# Altium PCB FPGA_Board.PcbDoc (part 2 of 3)
Units mil, origin at the board's own origin, x right, y up, seen from the top; angles counter-clockwise.
Board outline 13780 x 3880 mil, 8 copper layers (L0, L1, L2, 3,3V, GND, L3, L4, L5), stack 40.468 mil thick; 246 components, 198 nets, 1060 pads, 536 vias.
Unrouted connection lines stored in the file: 133.
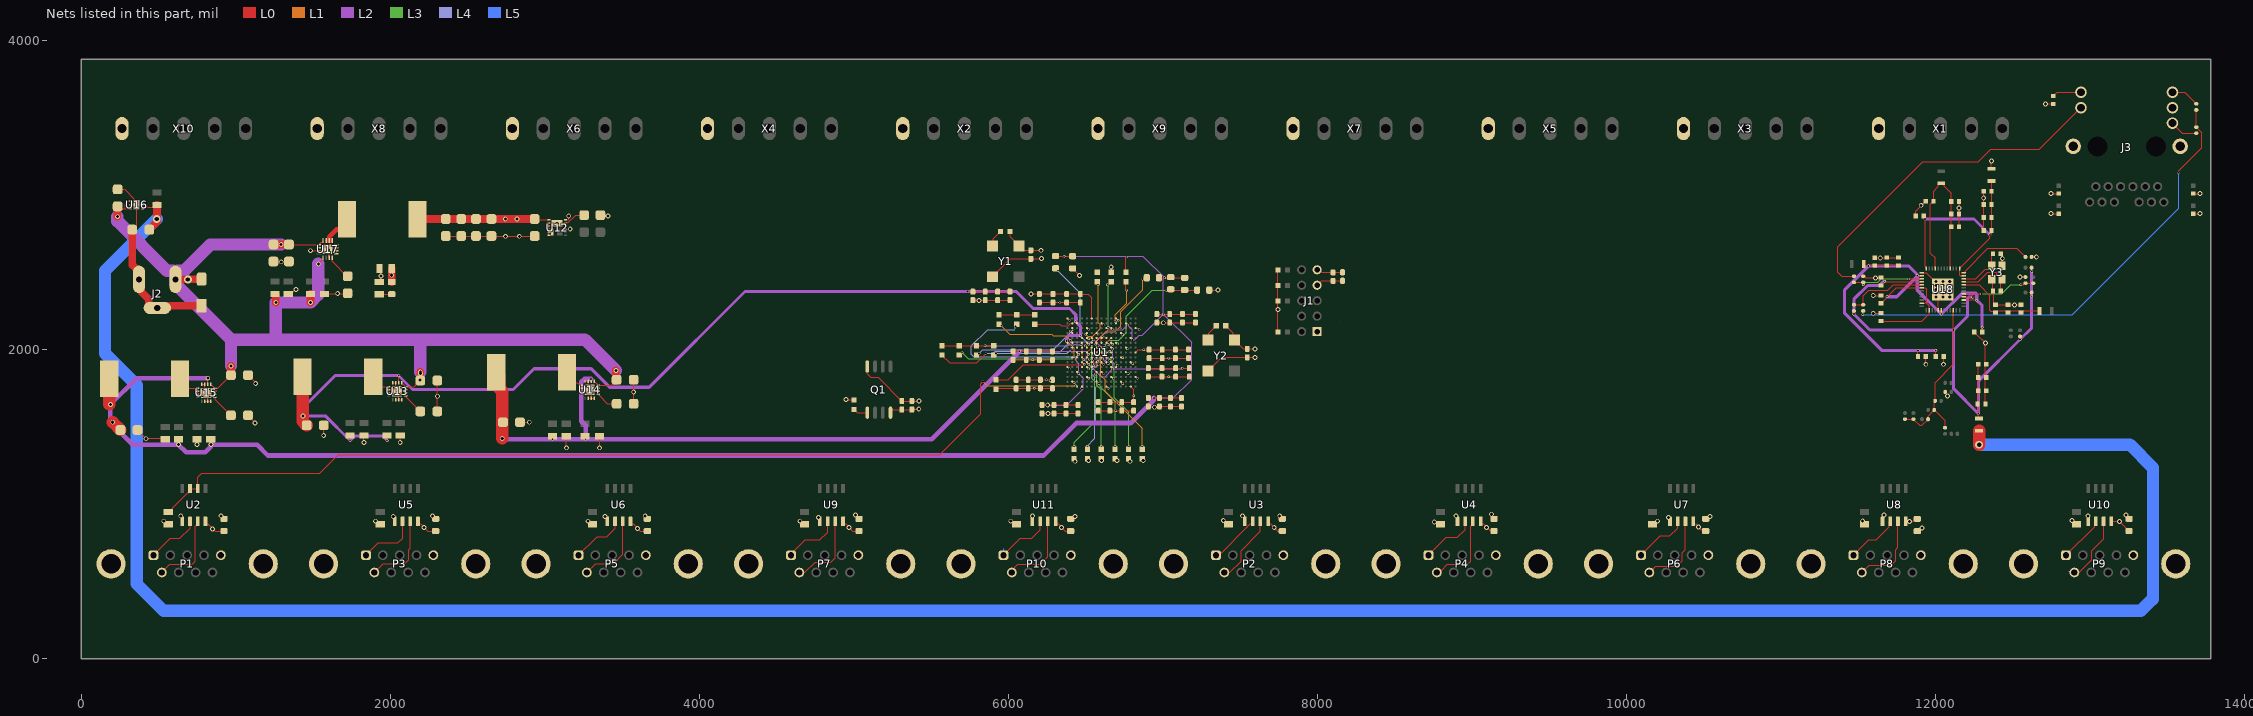
[diagram p8: the nets of this part, all layers, seen from the top]

## Via types
v1: diameter 15.75, hole 11.81, L0 to L5, 116 vias
v2: diameter 31.5, hole 19.68, L0 to GND, 96 vias
v3: diameter 15.75, hole 11.81, L0 to L3, 79 vias
v4: diameter 15.75, hole 11.81, L0 to L2, 64 vias
v5: diameter 15.75, hole 11.81, L0 to L1, 40 vias
v6: diameter 15.75, hole 11.81, L0 to GND, 36 vias
v7: diameter 31.5, hole 19.68, L0 to 3,3V, 29 vias
v8: diameter 15.75, hole 11.81, L0 to L4, 23 vias
v9: diameter 31.5, hole 19.68, L0 to L2, 19 vias
v10: diameter 19.68, hole 7.87, L0 to L5, 17 vias
v11: diameter 15.75, hole 11.81, L0 to 3,3V, 11 vias
v12: diameter 50, hole 28, L0 to L5, 3 vias
v13: diameter 50, hole 28, L0 to L2, 2 vias
v14: diameter 31.5, hole 19.68, L0 to L3, 1 vias

## Nets (pads, with @x,y where several pads share a name; then routed paths per layer and width w, separated by ;. In a path a pad name is that pad's centre, name@x,y a point inside that pad or via, vN(x,y) a via of type N, cw(c..) or ccw(c..) an arc to the next point about the centre after c; other vN are vias at no path point) (continued)
1.5V: C10.2 C11.2 C12.2 C13.2 C18.2 C19.2 C20.2 C21.2 C63.2 L4.2 R35.2 R37.2 U1.B3 U1.E4 U1.F1 U1.J2 U1.M3 U1.R4 U13.14 | length 8083.4
  L0 w5: v4(1740,1410) R35.2@1740,1445 ; v4(1980,1410) R37.2@1980,1445 ; U13.14@2054.84,1785.12 2054.84,1831.41 v4(2054.97,1831.54) ; v4(5735,2375) C18.2@5770,2375 C19.2@5850,2375 C20.2@5930,2375 C21.2@6010,2375 ; C10.2@6217.44,1642.56 C11.2@6294.96,1642.56 C12.2@6372.48,1642.56 C13.2@6450,1642.56 ; U1.J2@6413.03,1950 6413.65,1950 6423.65,1940 v4(6425,1940) ; U1.M3@6444.53,1855.51 v4(6455,1845) ; v4(6465,2090) 6475.3,2079.7 6475.3,2076.71 U1.E4@6476.02,2075.98 ; v4(6475.68,1748.94) 6475.85,1749.11 6475.85,1760.85 U1.R4@6476.02,1761.02
  L0 w80: L4.2@1433.31,1760 1433.31,1536.57 C63.2@1459.88,1510
  L2 w5: v9(6253.97,1641.07) 6376.07,1641.07 v4@6480.25,1745.25 ; v4(6425,1940) 6455,1910 v4(6455,1845) 6485,1815 6485,1750 v4@6480.25,1745.25 ; v4(6475.68,1748.94) 6476.56,1748.94 v4@6480.25,1745.25
  L2 w20: v9@1435,1571.83 1434.26,1572.57 1434.26,1622.61 1643.85,1832.2 2054.21,1832.2 2144.87,1741.54 2795.29,1741.54 2930.29,1876.54 3300.29,1876.54 3420.29,1756.54 3675.29,1756.54 4295.29,2376.54 5733.46,2376.54 v4(5735,2375) 5736.54,2376.54 6050.29,2376.54 6160.29,2266.54 6395.29,2266.54 6435.29,2226.54 v4@6435.29,2180.29 ; v9@1436.54,1571.54 1580.29,1571.54 v4@1740,1411.83 ; v4@1740,1411.25 1770.29,1441.54 1950.29,1441.54 v4@1980,1411.83 ; v4@6375.29,2055.29 6375.29,2076.54 6390.29,2091.54 6463.46,2091.54 v4(6465,2090) ; v4@6436.83,2180 6465.29,2151.54 v4@6465.29,2090.29
  L1 w6: v4(6375,2055) 6377.45,2055 6425,2007.45 v4(6425,1940)
  other v4: 6435,2180
  other v9: 1435,1570
1.8V: C6.1 C7.1 C8.1 C42.2 C43.2 C44.2 C45.2 C46.2 C47.2 C48.2 C49.2 C71.2 L1.2 L2.2 L6.2 R4.1 R11.1 R12.1 R15.1 R18.1 R44.2 R45.2 U1.B13 U1.C10 U1.E6 U1.E14 U1.H9 U1.J6 U1.J8 U1.K9 U1.L6 U15.14 | length 12963.8
  L0 w5: v9(630,1385) R44.2@630,1420 ; U15.14@819.84,1775.12 819.84,1814.84 v9(820,1815) ; v9(840,1385) R45.2@840,1420 ; R18.1@5570,2025.51 R15.1@5681.67,2025.51 R11.1@5793.33,2025.51 v4(5849.17,2025.51) R12.1@5905,2025.51 ; L1.2@6305,2605 6305.63,2604.37 v4(6360.32,2604.37) C6.1@6415,2604.37 ; U1.L6@6539.02,1887.01 6541.27,1887.01 6549.47,1895.21 v4(6551.72,1895.21) ; U1.J6@6539.02,1950 6539.51,1950 6549.51,1940 v4(6550,1940) ; U1.E6@6539.02,2075.98 v4(6550,2065) ; U1.J8@6602.01,1950 6602.01,1949 6610,1941 v4(6610,1940) ; U1.K9@6633.5,1918.5 6634.53,1918.5 6641.93,1911.1 6643.9,1911.1 v4(6645,1910) ; U1.H9@6633.5,1981.5 6634.12,1981.5 6642.88,1972.74 v4(6643.49,1972.74) ; U1.C10@6665,2138.98 6665.51,2138.98 6674.49,2130 v4(6675,2130) ; U1.B13@6759.49,2170.47 6759.49,2170.06 6769.13,2160.42 v4(6769.13,2160) ; R4.1@6760,2500.51 6760,2590.35 6765.87,2596.22 v4(6765.87,2599.13) ; U1.E14@6790.98,2075.98 6790.98,2075 6802.5,2063.49 v4(6802.5,2062.5) ; C42.2@6905,1687.56 v4(6940.83,1687.56) C43.2@6976.67,1687.56 C44.2@7048.33,1687.56 C45.2@7120,1687.56 ; C46.2@6960,2230.12 v4(7001.67,2230.12) C47.2@7043.33,2230.12 C48.2@7126.67,2230.12 C49.2@7210,2230.12 ; L2.2@6969.37,2465 v4(7010,2465) 7050,2465 7139.37,2465 C8.1@7140,2464.37
  L0 w80: v9@183.31,1645 L6.2@183.31,1810 ; v9@204.94,1529.94 C71.2@254.88,1480
  L2 w5: v4(5849.17,2025.51) 6380.51,2025.51 6407.13,2052.13 6537.13,2052.13 v4(6550,2065) 6551.23,2065 6563.11,2053.11 ; v4(6360.32,2604.37) 6759.37,2604.37 6760,2605 v4@6765.87,2605 ; v4(6551.72,1895.21) 6553.39,1896.88 6553.39,1935.05 6550,1938.44 v4(6550,1940) v4(6610,1940) 6624.45,1925.55 ; v4(6645,1910) 6643.9,1911.1 6638.9,1911.1 6624.45,1925.55 ; v4(6765.87,2599.13) v4@6765.87,2605 ; v4(6769.13,2160) 6769.13,2159.13 6740,2130 v4(6675,2130) 6646.49,2130 6569.61,2053.11 6563.11,2053.11 ; v4@6770,2160 6802.5,2127.5 v4(6802.5,2062.5) ; v4@6802.5,2065 6802.94,2064.56 6817.82,2064.56 6847.56,2094.31 6865.85,2094.31 v4(7001.67,2230.12) ; v4(6940.83,1687.56) 7067.56,1687.56 7185,1805 7185,2046.78 v4(7001.67,2230.12) ; 6563.11,2053.11 v4(6643.49,1972.74) 6643.49,1944.59 6624.45,1925.55 ; v4@6765.87,2605 6870,2605 v4(7010,2465) 7010,2464.6 7001.67,2456.27 v4(7001.67,2230.12)
  L2 w30: v9@189.19,1644.19 189.19,1546.21 205,1530.4 v9(205,1530) 205.29,1529.71 205.29,1513.91 334.19,1385 v9@629.6,1385 ; v9(190,1645) 360,1815 v9(820,1815) ; v9(630,1385) 680,1335 804.19,1335 839.71,1370.52 839.71,1384.71 v9(840,1385) ; v9@840.4,1385 1139.19,1385 1209.19,1315 6229.19,1315 6439.19,1525 6792.47,1525 6940.83,1673.36 v4(6940.83,1687.56)
1V: C26.2 C27.2 C28.2 C29.2 C34.2 C35.2 C36.2 C37.2 C64.2 L5.2 R36.2 R38.2 U1.E10 U1.F9 U1.G6 U1.G10 U1.H5 U1.J10 U1.K5 U1.L10 U14.14 | length 6541.2
  L0 w5: C34.2@6030,1989.06 v4(6072.5,1989.06) C35.2@6115,1989.06 C36.2@6200,1989.06 C37.2@6285,1989.06 ; U1.K5@6507.52,1918.5 6507.52,1917.48 6509.41,1915.59 v4(6520,1905) ; v4(6520,1970) 6519.02,1970 U1.H5@6507.52,1981.5 U1.G6@6539.02,2012.99 ; v4(6645,2035) 6644,2035 6634.51,2044.49 U1.F9@6633.5,2044.49 U1.E10@6665,2075.98 ; U1.L10@6665,1887.01 6665,1886.39 6675,1876.39 v4(6675,1875) ; U1.J10@6665,1950 v4(6675,1940) ; C26.2@6905,1880 C27.2@6993.33,1880 C28.2@7081.67,1880 v4(7125.83,1880) C29.2@7170,1880
  L0 w80: L5.2@2686.65,1855 2705.71,1835.94 2705.71,1749.32 2725,1730.03 v9(2725,1425)
  L2 w5: v4(6072.5,1989.06) 6500.94,1989.06 v4(6520,1970) 6505,1955 6505,1920 v4(6520,1905) 6600,1825 6625,1825 v4(6675,1875) v4(6675,1940) v4(6675,2005) v4(6645,2035) ; v4@6676.56,1875 7119.28,1875 7124.28,1880 v4(7125.83,1880)
  L2 w30: v9(2725,1425) 2730.82,1425 2735.82,1420 v4(3050,1420) v4(3265,1420) ; v4(3300,1810) 3254.9,1810 3237.32,1792.43 3237.32,1537.68 3265,1510 v4(3265,1420) ; v4(6072.5,1989.06) 5503.44,1420 v4(3265,1420)
2.5V: C70.2 FB4.1 R43.2 U16.1 | length 18115.4
  L0 w5: U16.1@398.39,2911.06 401.34,2911.06 402.24,2911.97 402.24,2914.14 408.1,2920 R43.2@464.96,2920
  L0 w50: C70.2@441.73,2776.65 491.61,2826.54 R43.2@491.61,2936.65
  L0 w80: v12(12280,1385) FB4.1@12280,1475.63
  L5 w80: v12(490,2845) 155,2510 155,1975 360,1770 360,485 535,310 13325,310 13405,390 ; v12(12280,1385) 13255,1385 13405,1235 13405,383.9
3.3V: C1.2 C2.2 C3.2 C4.2 C5.2 C9.2 C14.2 C15.2 C16.2 C17.2 C22.2 C23.2 C24.2 C25.2 C30.2 C31.2 C32.2 C33.2 C38.2 C39.2 C40.2 C41.2 C50.2 C51.2 C52.2 C53.2 C54.2 C55.2 C56.2 C57.2 C58.2 C59.2 C60.2 C76.2 C77.2 C78.2 C79.2 C85.1 D2.1 FB5.1 J1.7 J3.14 J3.16 L7.2 Q1.8 R1.2 R2.2 R3.1 R5.2 R6.2 R7.2 R8.2 R9.2 R10.2 R13.2 R19.2 R20.2 R21.2 R23.2 R24.2 R50.2 U1.A6 U1.D7 U1.F11 U1.G4 U1.H4 U1.H15 U1.J4 U1.J12 U1.K8 U1.M13 U1.N10 U1.P7 U1.R14 U2.8 U3.8 U4.8 U5.8 U6.8 U7.8 U8.8 U9.8 U10.8 U11.8 U12.1 U12.9 U17.3 Y1.4 Y2.4 | length 5866.4
  L0 w5: U2.8@805,888.7 805,881.63 814.31,872.32 821.38,872.32 867.44,826.26 C50.2@925,826.26 ; v7(1485,2640) 1485.16,2640.16 U17.3@1539.49,2640.16 ; U5.8@2180,888.7 2180,881.63 2189.31,872.32 2196.38,872.32 2242.44,826.26 C53.2@2294.44,826.26 ; C60.2@2934.88,2845 2940.67,2839.21 U12.1@3026.46,2839.21 ; U12.9@3133.54,2780.16 3164.84,2780.16 v7@3165,2780 ; U6.8@3555,888.7 3555,881.63 3564.31,872.32 3571.38,872.32 3617.44,826.26 C54.2@3663.89,826.26 ; U9.8@4930,888.7 4930,881.63 4939.31,872.32 4946.38,872.32 4992.44,826.26 C57.2@5033.33,826.26 ; v7@4950.62,1674.38 R2.2@5000,1674.38 ; Q1.8@5087.01,1891.1 5087.01,1842.99 5110,1820 5157.56,1820 C3.2@5310,1667.56 C2.2@5375,1667.56 5422.44,1667.56 v7@5425,1665 ; R1.2@6010.51,2765 6010.51,2728.99 6096.94,2642.56 v7(6211.03,2642.56) ; C14.2@6050,1805 C15.2@6128.33,1805 C16.2@6206.67,1805 C17.2@6285,1805 ; v7@6145,2360 C30.2@6200,2360 C31.2@6288.33,2360 C32.2@6376.67,2360 C33.2@6465,2360 6467.38,2357.62 6517.38,2357.62 6539.02,2335.98 U1.A6@6539.02,2201.97 ; U11.8@6305,888.7 6305,881.63 6314.31,872.32 6321.38,872.32 6367.44,826.26 C59.2@6402.78,826.26 ; U1.G4@6476.02,2012.99 U1.H4@6476.02,1981.5 6476.02,1948.98 6486.03,1938.97 6486.03,1936.1 v11(6487.13,1935) ; U1.P7@6570.51,1792.52 6571.53,1792.52 6573.42,1790.63 6574.37,1790.63 v11(6585,1780) ; U1.D7@6570.51,2107.48 6581.89,2096.1 6583.9,2096.1 v11(6585,2095) ; C22.2@6580,1660 C23.2@6656.67,1660 C24.2@6733.33,1660 C25.2@6810,1660 6810,1742.01 U1.R14@6790.98,1761.02 ; U1.K8@6602.01,1918.5 6602.01,1917.99 v11(6615,1905) ; U1.N10@6665,1824.02 6666.02,1824.02 6674.4,1815.64 6678.05,1815.64 v11(6679.15,1814.54) ; R3.1@6665,2500.51 v7(6665,2535) ; U1.F11@6696.5,2044.49 6697.52,2044.49 6703.95,2038.06 6705.85,2038.06 v11(6706.95,2036.96) ; U1.J12@6727.99,1950 6729.2,1948.79 6738.66,1948.79 v11(6739.87,1947.58) ; U1.M13@6759.49,1855.51 6769.25,1845.75 6773.37,1845.75 v11(6774.47,1844.65) ; U1.H15@6822.48,1981.5 6840.61,1999.63 6875.12,1999.63 v11(6875.49,2000) C39.2@6995,2000 C40.2@7080,2000 C41.2@7165,2000 ; R24.2@7405.51,2155 7454.44,2106.07 7454.44,2070.06 Y2.4@7463.01,2061.5 7519.5,2005 C9.2@7545,2005 v7@7595,2005 ; U3.8@7680,888.7 7680,881.63 7689.31,872.32 7696.38,872.32 7742.44,826.26 C51.2@7772.22,826.26 ; R19.2@7743.98,2115 R20.2@7743.98,2315 R21.2@7743.98,2415 R23.2@7743.98,2515 ; J1.7@7997.01,2416.5 8025.94,2445.43 C4.2@8161.5,2445.43 ; 8150,2180 8150.62,2179.38 ; U4.8@9055,888.7 9055,881.63 9064.31,872.32 9071.38,872.32 9113.47,830.23 9137.7,830.23 C52.2@9141.67,826.26 ; U7.8@10430,888.7 10430,881.63 10439.31,872.32 10446.38,872.32 10482.92,835.78 10501.59,835.78 C55.2@10511.11,826.26 ; U8.8@11805,888.7 11856.42,888.7 11872.09,904.37 C56.2@11880,904.37 ; FB5.1@12360,3169.37 v7@12360,3220 ; C85.1@12760,3640.59 12761.97,3640.59 12770.75,3649.37 12770.75,3651.34 12784.41,3665 J3.14@12939,3665 ; U10.8@13135,888.7 13187.56,888.7 C58.2@13250,826.26
  L0 w50: D2.1@2010,2437.56 R50.2@2010,2525 ; L7.2@2176.69,2845 C60.2@2934.88,2845
  other v5: 6270,1800
  other v7: 850.07,839.09 3600.88,843.31 2219.48,848.38 4969.48,848.38 6344.48,848.38 7719.48,848.38 9092.5,850.36 10464.72,853.14 11830.78,887.79 13187.63,887.79 6432.13,1277.56 6787.13,1277.56 6517.13,1282.56 6602.13,1282.56 6702.13,1282.56 6872.13,1282.56 5422.13,1667.56 4948.18,1676.53 7594.69,2005 7744.69,2260 6144.84,2359.84 2009.84,2481.12 3164.69,2780 2744.84,2844.84 2819.84,2844.84 12359.69,3220
  other v11: 6810.6,1701.61 6246.43,1805.6
10V: C65.2 C66.2 C69.2 C72.2 C74.2 C75.2 D1.2 J2.1 R48.2 R49.2 U13.10 U13.11 U13.12 U13.13 U14.10 U14.11 U14.12 U14.13 U15.10 U15.11 U15.12 U15.13 U16.4 U16.6 U17.1 U17.2 U17.5 U17.16 | length 7251.6
  L0 w5: C69.2@236.61,2926.54 252.09,2911.06 286.85,2911.06 ; U16.6@321.61,2911.06 286.85,2911.06 ; U16.4@321.61,2962.24 321.38,2962.01 307.01,2962.01 286.85,2941.85 286.85,2911.06 ; U15.13@839.53,1775.12 839.53,1768.58 839.8,1768.31 846.34,1768.31 U15.12@865.12,1749.53 ; U15.10@865.12,1710.16 U15.11@865.12,1729.84 U15.12@865.12,1749.53 ; C72.2@970,1855 970,1835.12 C72.2@969.88,1835 884.41,1749.53 U15.12@865.12,1749.53 ; R49.2@1255,2360 R49.2@1260,2355 ; C75.2@1345,2679.53 U17.1@1539.49,2679.53 ; v9(1535,2555) 1564.13,2584.13 1565,2584.13 1565.47,2584.61 U17.5@1565.47,2594.49 ; U17.2@1539.49,2659.84 U17.1@1539.49,2679.53 ; U17.16@1565.47,2705.51 1565.47,2695.63 1565,2695.16 1555.12,2695.16 U17.1@1539.49,2679.53 ; U13.13@2074.53,1785.12 2074.53,1778.58 2074.8,1778.31 2081.34,1778.31 U13.12@2100.12,1759.53 ; U13.10@2100.12,1720.16 U13.11@2100.12,1739.84 U13.12@2100.12,1759.53 ; C65.2@2194.88,1800 2154.41,1759.53 U13.12@2100.12,1759.53 ; U14.13@3319.53,1795.12 3319.53,1788.58 3319.8,1788.31 3326.34,1788.31 U14.12@3345.12,1769.53 ; U14.10@3345.12,1730.16 U14.11@3345.12,1749.84 U14.12@3345.12,1769.53 ; C66.2@3457.44,1797.56 3429.41,1769.53 U14.12@3345.12,1769.53
  L0 w50: v9(235,2860) 235,2924.92 C69.2@236.61,2926.54 ; J2.1@611.22,2455 778.39,2455 D1.2@780,2456.61 ; C72.2@970,1855 v9(970,1895) ; C74.2@1245,2680.12 v9(1295,2680.12) C75.2@1345,2680.12 ; v9(1260,2305) R49.2@1260,2355 ; v9(1485,2305) R48.2@1485,2360 ; C65.2@2194.88,1800 2195,1800.12 v9(2195,1855) ; C66.2@3457.44,1797.56 3460,1800.12 v9(3460,1865)
  L2 w80: v9(235,2860) 235,2831.22 556.51,2509.71 597.94,2509.71 611.22,2496.44 624.5,2509.71 665.93,2509.71 836.34,2680.12 v9(1295,2680.12) ; J2.1@611.22,2455 J2.1@611.22,2455 611.2,2423.8 970,2065 ; v9(970,1895) 970,2065 ; v9(1535,2555) 1535,2355 v9(1485,2305) v9(1260,2305) 1260,2065 ; v9(2195,1855) 2195,2065 ; v9(3460,1865) 3260,2065 2195,2065 ; 970,2065 1260,2065 ; 1260,2065 2195,2065
  other v9: 2193.71,1804.92 2196.22,1844.46
  other v13: 691.27,2453.43
+1V2_ETH_AVDDL: C96.1 C97.1 C98.1 C99.1 FB2.2 U18.4 U18.9 | length 1186.8
  L0 w5: U18.9@11995.79,2525.43 11995.79,2594.21 11965,2625 11965,2939.41 11974.84,2949.25 11976.81,2949.25 11985.59,2958.03 11985.59,3026.22 12015.69,3056.32 12015.69,3068.82 12022.5,3075.63 FB2.2@12035,3075.63 12047.5,3075.63 12054.31,3068.82 12054.31,3056.32 12099.41,3011.22 C97.1@12099.41,2958.33 C98.1@12099.41,2876.67 C99.1@12099.41,2795 12094.21,2789.8 U18.4@12094.21,2525.43
+1V2_ETH_AVDDL_PLL: C100.1 C101.1 C102.1 FB3.2 U18.44 | length 627.5
  L0 w5: U18.44@12180.43,2419.53 12280.47,2419.53 12350,2350 12350,2255 12356.81,2248.19 12376.22,2248.19 C100.1@12385,2239.41 ; C100.1@12377.93,2250 12467.5,2250 12550,2250 FB3.2@12670.63,2250
+1V2_ETH_DVDDL: C87.1 C88.1 C89.1 C90.1 C91.1 C92.1 C93.1 C94.1 FB1.2 U18.14 U18.18 U18.23 U18.26 U18.30 U18.39 | length 3830.6
  L0 w5: FB1.2@11534.37,2555 11534.37,2551.22 11541.18,2544.41 C89.1@11759.29,2544.41 ; C91.1@11645,2185 11910,2185 11956.42,2231.42 U18.26@11956.42,2245.79 ; C90.1@11645,2299.41 11646.97,2299.41 11655.75,2308.19 11655.75,2310.75 11744.84,2399.84 U18.18@11909.57,2399.84 11930.16,2399.84 11940,2390 11940,2310 11935.71,2305.71 ; v4(11880,2480) 11881.56,2480 11882.97,2478.58 U18.14@11909.57,2478.58 ; C92.1@11884.41,1955 11884.41,1994.41 v4(11885,1995) ; U18.23@11909.57,2301.42 11931.42,2301.42 11935.71,2305.71 ; U18.26@11956.42,2254.57 11956.42,2285 11935.71,2305.71 ; C93.1@11999.41,1955 11999.41,1994.41 v4(12000,1995) ; v4(12035,2230) 12035,2242.67 12035.08,2242.75 12035.08,2254.49 U18.30@12035.16,2254.57 ; U18.39@12180.43,2321.1 12262.34,2321.1 12263.44,2320 v4(12265,2320) ; C94.1@12300,2115 v4(12300,2145)
  L2 w20: v4(11684.97,2341.95) 11746.95,2341.95 11878.9,2473.9 11878.9,2478.9 v4(11880,2480) 11878.9,2481.1 11878.9,2486.1 11823.05,2541.95 v4(11564.97,2541.95) 11410,2386.98 11410,2235 11650,1995 v4(11885,1995) v4(12000,1995) ; v4@11880,2477.34 11880,2385 v4(12035,2230) 12170,2365 12259.14,2365 12265,2359.14 v4(12265,2320) 12300,2285 v4(12300,2145)
+2V5_ETH_DVDDH: C103.1 C104.1 C105.1 C106.1 C107.1 FB4.2 R54.2 R55.2 R56.2 R57.2 R58.2 R59.2 R72.2 R73.2 R74.2 R75.2 U18.16 U18.34 U18.40 | length 4859.4
  L0 w5: v4(11470,2230) R55.2@11470,2250.32 ; C107.1@11645,2415 11646.97,2415 11655.75,2423.78 11655.75,2425.75 v4@11669.21,2439.21 ; v4@11669.97,2439.21 U18.16@11909.57,2439.21 ; R56.2@11800,1550.63 11800.32,1550.32 R58.2@11855,1550.32 11895.32,1510 11910,1510 R57.2@11949.84,1549.84 ; R57.2@11949.69,1550 11949.69,1570 R59.2@11989.69,1610 ; R72.2@12060,1494.69 12060,1539.69 R59.2@11989.69,1610 ; U18.34@12113.9,2254.57 12113.9,2126.95 12113.9,1903.9 11995.32,1785.32 R54.2@11995.32,1668.33 11995.32,1662.68 11989.69,1657.05 R59.2@11989.69,1610 ; U18.40@12180.43,2340.79 12239.21,2340.79 v4(12240,2340) ; C103.1@12274.41,1905 C104.1@12274.41,1819.58 C105.1@12274.41,1734.17 12274.41,1559.96 FB4.2@12280,1554.37 ; v4(12545,2065) R73.2@12545,2085.32 ; R74.2@12619.37,2370 12619.37,2345.63 v4(12620,2345) ; R75.2@12619.37,2530 12619.37,2505.63 v4(12620,2505)
  L2 w20: v4(11669.97,2441.95) 11668.87,2440.85 11660.85,2440.85 11635,2415 11560,2415 11470,2325 v4(11470,2230) 11573.05,2126.95 v4(12114.97,2126.95) ; v4(12240,2340) 12210.86,2340 12205,2334.14 12205,2216.98 v4(12114.97,2126.95) ; v4(12620,2505) v4(12620,2345) 12620,2140 v4(12545,2065) 12274.97,1794.97 v4(12274.97,1586.95) 12114.97,1746.95 v4(12114.97,2126.95)
+3V3_ETH_AVDDH: C108.1 C109.1 C110.1 C111.1 C112.1 FB5.2 U18.1 U18.12 U18.47 | length 1552.6
  L0 w5: C112.1@11921.18,2865 11928.9,2857.28 11928.9,2846.1 v4(11930,2845) 11930,2540.15 11935.94,2534.21 11936.65,2534.21 11936.73,2534.13 U18.12@11936.73,2525.43 ; U18.47@12166.95,2481 12178.01,2481 U18.47@12180.43,2478.58 12156.65,2478.58 12153.27,2481.97 12153.27,2534.13 12153.35,2534.21 12162.05,2534.21 12349.97,2722.14 v4(12349.97,2741.95) ; v4@12350.96,2740.96 12360.59,2750.59 C108.1@12360.59,2770 C109.1@12360.59,2855 C110.1@12360.59,2940 C111.1@12360.59,3025 12360.59,3090.04 FB5.2@12360,3090.63
  L2 w20: v4(11930,2845) 12246.92,2845 v4(12349.97,2741.95)
A1: P1.1 U2.6 | length 352.6
  L0 w5: P1.1@468.58,670 578.58,780 640,780 705,845 U2.6@705,888.7
A2: P3.1 U5.6 | length 390.9
  L0 w5: P3.1@1843.4,670 1923.4,750 2050,750 2080,780 U5.6@2080,888.7
A3: P5.1 U6.6 | length 353
  L0 w5: P5.1@3218.21,670 3338.21,790 3400,790 3455,845 U6.6@3455,888.7
A4: P7.1 U9.6 | length 372.5
  L0 w5: P7.1@4593.02,670 4593.02,677.17 4616.2,700.35 4616.2,701.2 4685,770 4780,770 4830,820 U9.6@4830,888.7
A5: P10.1 U11.6 | length 401
  L0 w5: P10.1@5967.83,670 6077.83,780 6150,780 6205,835 U11.6@6205,888.7
  L5 w5: P10.1@5967.83,670 5970.64,672.81 5970.64,710.64
A6: P2.1 U3.6 | length 333.1
  L0 w5: P2.1@7342.64,670 7360.05,687.41 7378.71,687.41 7541.99,850.69 7543.74,850.69 7549.31,856.26 7549.31,858.01 7563.62,872.32 7570.69,872.32 7580,881.63 U3.6@7580,888.7
A7: P4.1 U4.6 | length 359.6
  L0 w5: P4.1@8717.45,670 8832.45,785 8905,785 8955,835 U4.6@8955,888.7
A8: P6.1 U7.6 | length 353.9
  L0 w5: P6.1@10092.27,670 10217.27,795 10280,795 10330,845 U7.6@10330,888.7
A9: P8.1 U8.6 | length 345.3
  L0 w5: P8.1@11467.08,670 11567.08,770 11615,770 11698.62,853.62 11698.62,882.32 U8.6@11705,888.7
A10: P9.1 U10.6 | length 298.7
  L0 w5: P9.1@12841.89,670 13026.92,855.03 13026.92,880.62 U10.6@13035,888.7
AGND: C7.2 C8.2 L3.1 U1.G8 U1.H7 | length 852.5
  L0 w5: U1.H7@6570.51,1981.5 U1.G8@6602.01,2012.99 6604.38,2012.99 6607.76,2016.37 6608.98,2016.37 v8(6618.73,2026.12) ; C7.2@7050,2390.63 7055.63,2385 L3.1@7220.63,2385
  L3 w5: v8(6618.73,2026.12) 6652.61,2060 6712.37,2060 6762.25,2109.88 6762.25,2217.25 6930,2385 v3(7020,2385)
B1: P1.6 U2.7 | length 513.2
  L0 w5: P1.6@523.11,558.19 574.92,610 720,610 740,630 740,857.76 742.93,860.69 745.69,860.69 755,870 U2.7@755,888.7
B2: P3.6 U5.7 | length 508.8
  L0 w5: P3.6@1897.92,558.19 1954.73,615 2095,615 2120,640 2120,705 2130,715 U5.7@2130,888.7
B3: P5.6 U6.7 | length 494.4
  L0 w5: P5.6@3272.73,558.19 3329.54,615 3445,615 3505,675 U6.7@3505,888.7
B4: P7.6 U9.7 | length 506.3
  L0 w5: P7.6@4647.55,558.19 4647.97,558.61 4683.61,558.61 4750,625 4850,625 4880,655 U9.7@4880,888.7
B5: P10.6 U11.7 | length 511.8
  L0 w5: P10.6@6022.36,558.19 6022.36,572.36 6060,610 6205,610 6255,660 U11.7@6255,888.7
B6: P2.6 U3.7 | length 448.1
  L0 w5: P2.6@7397.17,558.19 P2.6@7397.17,558.19 7433.24,558.24 7505,630 7505,700 7630,825 U3.7@7630,888.7
B7: P4.6 U4.7 | length 515
  L0 w5: P4.6@8771.98,558.19 8787.67,558.19 8802.15,572.66 8802.66,572.66 8840,610 8970,610 8990,630 8990,857.76 8992.93,860.69 8995.69,860.69 9005,870 U4.7@9005,888.7
  L5 w5: P4.6@8771.51,558.66 P4.6@8771.98,558.19
B8: P6.6 U7.7 | length 514.6
  L0 w5: P6.6@10146.79,558.19 10188.6,600 10325,600 10360,635 10360,685 10380,705 U7.7@10380,888.7
  L5 w5: P6.6@10141.41,563.58 P6.6@10146.79,558.19
B9: P8.6 U8.7 | length 521.4
  L0 w5: P8.6@11521.61,558.19 11568.42,605 11710,605 11740,635 11740,705 11755,720 U8.7@11755,888.7
  L5 w5: P8.6@11513.62,566.17 P8.6@11521.61,558.19
B10: P9.6 U10.7 | length 468.3
  L0 w5: P9.6@12896.42,558.19 12900.71,562.49 12932.49,562.49 13010,640 13010,700 13085,775 U10.7@13085,888.7
  L5 w5: 12858.74,566.26 12888.34,566.26 P9.6@12896.42,558.19
ENET_LED_LINK: J3.13 R65.2 | length 2227.1
  L0 w5: R65.2@11470,2475 11390,2475 11365,2500 11365,2665 11915,3215 12275,3215 12355,3295 12669,3295 J3.13@12939,3565
ENET_LED_RX: R60.2 R64.2 R66.2 | length 3064
  L0 w5: v1(11527.59,2226.96) 11528.69,2228.05 11528.69,2249 R66.2@11530,2250.32 ; v1(13570,3145) 13571.1,3146.1 13571.1,3156.1 13720,3305 13720,3404.69 R60.2@13685,3439.69 R64.2@13685,3550.63
  L5 w5: v1(11527.59,2226.96) 12881.96,2226.96 13570,2915 v1(13570,3145)
ENET_LED_RX_G: J3.17 R64.1 | length 185.1
  L0 w5: J3.17@13531,3665 13610,3665 R64.1@13685,3590
ENET_LED_RX_O: J3.15 R60.1 | length 180.8
  L0 w5: J3.15@13531,3465 13595.69,3400.32 R60.1@13685,3400.32
ENET_REF_CLK_R: R61.2 R67.1 U18.41 | length 479
  L0 w5: U18.41@12180.43,2360.47 12294.53,2360.47 v3(12295,2360) ; v3(12550,2420) 12565.79,2420 12576.11,2430.32 R61.2@12580,2430.32 12580.32,2430 R67.1@12630,2430
  L3 w5: v3(12295,2360) 12425,2360 12485,2420 v3(12550,2420)
ETH_ISET: R69.1 U18.48 | length 491.4
  L0 w5: U18.48@12180.43,2498.27 12187.5,2498.27 12189.93,2500.69 12189.93,2507.76 12337.17,2655 12525,2655 R69.1@12580,2600
ETH_OSCI_25MHz: C86.1 U18.46 Y3.3 | length 298.3
  L0 w5: U18.46@12180.43,2458.9 12258.9,2458.9 12320.75,2520.75 12342.91,2520.75 12361.54,2539.37 Y3.3@12361.54,2543.31 12361.54,2612.13 C86.1@12369.41,2620
ETH_OSCO_25MHz: C95.1 U18.45 Y3.1 | length 373.4
  L0 w5: U18.45@12180.43,2439.21 12274.21,2439.21 12335,2500 12389.09,2500 12409.84,2479.25 12416.9,2472.2 12428.46,2460.63 Y3.1@12428.46,2456.69 12420.59,2448.82 C95.1@12420.59,2380
GND: C1.1 C2.1 C3.1 C4.1 C5.1 C6.2 C9.1 C10.1 C11.1 C12.1 C13.1 C14.1 C15.1 C16.1 C17.1 C18.1 C19.1 C20.1 C21.1 C22.1 C23.1 C24.1 C25.1 C26.1 C27.1 C28.1 C29.1 C30.1 C31.1 C32.1 C33.1 C34.1 C35.1 C36.1 C37.1 C38.1 C39.1 C40.1 C41.1 C42.1 C43.1 C44.1 C45.1 C46.1 C47.1 C48.1 C49.1 C50.1 C51.1 C52.1 C53.1 C54.1 C55.1 C56.1 C57.1 C58.1 C59.1 C60.1 C61.1 C63.1 C64.1 C65.1 C66.1 C67.1 C68.1 C69.1 C70.1 C71.1 C72.1 C73.1 C74.1 C75.1 C76.1 C77.1 C78.1 C79.1 C80.1 C81.1 C82.1 C83.1 C84.1 C85.2 C86.2 C87.2 C88.2 C89.2 C90.2 C91.2 C92.2 C93.2 C94.2 C95.2 C96.2 C97.2 C98.2 C99.2 C100.2 C101.2 C102.2 C103.2 C104.2 C105.2 C106.2 C107.2 C108.2 C109.2 C110.2 C111.2 C112.2 D1.1 J1.1 J1.9 J2.2 J2.3 J3.18 J3.19 L3.2 P1.5 P1.M1 P1.M2 P2.5 P2.M1 P2.M2 P3.5 P3.M1 P3.M2 P4.5 P4.M1 P4.M2 P5.5 P5.M1 P5.M2 P6.5 P6.M1 P6.M2 P7.5 P7.M1 P7.M2 P8.5 P8.M1 P8.M2 P9.5 P9.M1 P9.M2 P10.5 P10.M1 P10.M2 Q1.4 R14.2 R16.2 R17.2 R22.2 R25.1 R26.1 R27.1 R28.1 R29.1 R30.1 R31.1 R32.1 R33.1 R34.1 R39.1 R40.1 R41.1 R42.1 R46.1 R47.1 R50.1 R51.1 R52.1 R53.1 R61.1 R62.1 R63.1 R69.2 U1.A1 U1.A11 U1.B8 U1.C5 U1.C15 U1.D2 U1.D12 U1.E5 U1.E7 U1.E8 U1.E9 U1.F8 U1.F10 U1.G3 U1.G5 U1.G13 U1.H6 U1.H10 U1.J5 U1.J9 U1.K4 U1.K7 U1.K10 U1.K14 U1.L1 U1.L5 U1.L11 U1.M8 U1.N5 U1.N15 U1.P2 U1.P12 U1.R9 U2.5 U3.5 U4.5 U5.5 U6.5 U7.5 U8.5 U9.5 U10.5 U11.5 U12.2 U12.3 U12.4 U12.5 U12.6 U12.12 U12.13 U12.14 U13.6 U13.7 U13.8 U13.15 U13.16 U13.17 U14.6 U14.7 U14.8 U14.15 U14.16 U14.17 U15.6 U15.7 U15.8 U15.15 U15.16 U15.17 U16.5 U16.7 U17.7 U17.9 U17.10 U17.11 U17.12 U17.17 U18.13 U18.29 U18.49 X1.5 X2.5 X3.5 X4.5 X5.5 X6.5 X7.5 X8.5 X9.5 X10.5 Y1.2 Y2.2 Y3.2 Y3.4 | length 11535.7
  L0 w5: C69.1@236.61,3036.77 281.54,3036.77 345.31,2972.99 345.31,2963.15 350.16,2958.31 v10(360,2958.31) ; U16.5@321.61,2936.65 U16.7@360,2936.65 ; C70.1@331.5,2776.65 331.5,2780.5 360,2809.01 v10(360,2915) ; C71.1@365.12,1480 420.12,1425 535,1425 540,1420 R46.1@545,1420 ; v2(750,1385) R47.1@750,1420 ; U15.16@780.47,1775.12 U15.15@800.16,1775.12 800.16,1729.84 v10(810,1720) 819.84,1710.16 U15.7@819.84,1664.88 ; U15.6@800.16,1664.88 U15.7@819.84,1664.88 ; U15.8@839.53,1664.88 U15.7@819.84,1664.88 ; C73.1@1080.12,1575 1125,1530.12 v2(1125,1525) ; C72.1@1080.12,1835 1130,1785.12 v2(1130,1780) ; C74.1@1245,2569.88 C75.1@1345,2569.88 ; R52.1@1340,2360 1355,2375 1373.39,2375 1388.39,2390 v2(1390,2390) ; v2(1570,1445) 1570,1509.88 C63.1@1570.12,1510 ; R51.1@1575,2360 1720.12,2360 C80.1@1725,2364.88 ; v2(1600.35,2643.42) 1600.35,2644.65 U17.17@1595,2650 ; U17.7@1604.84,2594.49 1604.84,2640.16 U17.17@1595,2650 ; U17.9@1650.51,2620.47 U17.10@1650.51,2640.16 U17.11@1650.51,2659.84 ; U17.12@1650.51,2679.53 U17.11@1650.51,2659.84 ; v2(1830,1400) R39.1@1830,1445 ; R53.1@1930,2438.19 1938.19,2438.19 1940,2440 1940,2515 R50.1@1930,2525 ; U13.16@2015.47,1785.12 U13.15@2035.16,1785.12 2035.16,1739.84 v10(2045,1730) 2054.84,1720.16 U13.7@2054.84,1674.88 ; U13.6@2035.16,1674.88 U13.7@2054.84,1674.88 ; v2(2065,1400) R41.1@2065,1445 ; U13.8@2074.53,1674.88 U13.7@2054.84,1674.88 ; C67.1@2305.12,1600 C65.1@2305.12,1800 ; C79.1@2360,2734.88 C78.1@2555,2734.88 C76.1@2655,2734.88 C60.1@2935,2734.88 ; C64.1@2840.12,1530 v2(2900,1530) ; U12.6@3026.46,2740.79 U12.5@3026.46,2760.47 ; U12.14@3049.69,2761.26 3048.9,2760.47 U12.5@3026.46,2760.47 ; U12.13@3080,2817.5 3032.46,2817.5 3030.43,2819.53 U12.2@3026.46,2819.53 U12.3@3026.46,2799.84 U12.4@3026.46,2780.16 U12.5@3026.46,2760.47 ; U12.12@3133.54,2839.21 3149.21,2839.21 3155,2845 v2@3155,2865 ; v2(3140,1365) R40.1@3140,1440 ; U14.16@3260.47,1795.12 U14.15@3280.16,1795.12 3280.16,1749.84 v10(3290,1740) 3299.84,1730.16 U14.7@3299.84,1684.88 ; U14.6@3280.16,1684.88 U14.7@3299.84,1684.88 ; U14.8@3319.53,1684.88 U14.7@3299.84,1684.88 ; v2(3355,1365) R42.1@3355,1440 ; C61.1@3360,2870.12 3365.12,2865 v2(3410,2865) ; C68.1@3575.12,1650 3575.55,1650.43 v2(3575.55,1725.79) ; v2@3575.12,1725.79 C66.1@3575.12,1805 ; Q1.4@5237.01,1591.89 5237.01,1606.15 5243.3,1612.44 C3.1@5310,1612.44 C2.1@5375,1612.44 5377.56,1615 v2(5420,1615) ; C18.1@5770,2319.88 C19.1@5850,2319.88 C20.1@5930,2319.88 C21.1@6010,2319.88 ; Y1.2@5896.01,2471.5 6011.95,2587.44 C1.1@6145,2587.44 6212.44,2587.44 v2(6215,2590) ; R22.2@5920,1743.98 5925.91,1749.88 C14.1@6050,1749.88 C15.1@6128.33,1749.88 C16.1@6206.67,1749.88 C17.1@6285,1749.88 ; R16.2@5937.99,2225.51 R17.2@6054,2225.51 R14.2@6170,2225.51 ; C34.1@6030,1933.94 C35.1@6115,1933.94 v6(6157.5,1933.94) C37.1@6285,1933.94 ; C30.1@6200,2304.88 C31.1@6288.33,2304.88 C32.1@6376.67,2304.88 C33.1@6465,2304.88 ; C10.1@6217.44,1587.44 C11.1@6294.96,1587.44 C12.1@6372.48,1587.44 C13.1@6450,1587.44 ; U1.L1@6381.54,1887.01 6382.56,1887.01 6384.45,1885.12 6384.88,1885.12 v6(6395,1875) ; U1.A1@6381.54,2201.97 6382.56,2201.97 6384.45,2200.08 6384.92,2200.08 v6(6395,2190) ; v6(6400,2120) 6400.51,2120 U1.D2@6413.03,2107.48 ; U1.P2@6413.03,1792.52 6413.75,1791.8 6416.65,1791.8 6416.65,1791.28 6422.55,1785.37 v6(6425,1785.37) ; C6.2@6415,2525.63 6416.32,2525.63 6433.62,2508.32 6433.62,2507.01 6460,2480.63 v2(6460,2480) ; v6(6430.54,2024.36) 6431.85,2024.36 6443.22,2012.99 U1.G3@6444.53,2012.99 ; U1.K4@6476.02,1918.5 6476.5,1918.5 v6(6490,1905) ; v6(6496.43,2024.08) U1.G5@6507.52,2012.99 ; U1.N5@6507.52,1824.02 6508.24,1823.29 6510.15,1823.29 6518.44,1815 v6(6520,1815) ; U1.J5@6507.52,1950 6508.54,1950 6518.85,1939.7 6521.77,1939.7 v6(6522.87,1938.6) ; U1.E5@6507.52,2075.98 6508.24,2075.26 6513.18,2075.26 6518.44,2070 v6(6520,2070) ; U1.C5@6507.52,2138.98 6508.24,2138.25 6510.19,2138.25 6518.44,2130 v6(6520,2130) ; U1.H6@6539.02,1981.5 6550,1970.51 v6(6550,1970) ; U1.K7@6570.51,1918.5 6570.98,1918.5 6577.1,1924.63 v6(6577.57,1924.63) ; U1.E7@6570.51,2075.98 U1.E8@6602.01,2075.98 ; C22.1@6580,1604.88 C23.1@6656.67,1604.88 C24.1@6733.33,1604.88 C25.1@6810,1604.88 ; U1.M8@6602.01,1855.51 6603.03,1855.51 6604.92,1853.62 6606.27,1853.62 6614.89,1845 v6(6615,1845) ; U1.F8@6602.01,2044.49 U1.E8@6602.01,2075.98 ; U1.B8@6602.01,2170.47 6603.03,2170.47 6604.92,2168.58 6606.27,2168.58 6614.85,2160 v6(6615,2160) ; v6(6617.76,1969.55) 6618.86,1968.45 6618.86,1965.4 6633.5,1950.75 U1.J9@6633.5,1950 ; U1.R9@6633.5,1761.02 6633.98,1761.02 v6(6645,1750) ; U1.E9@6633.5,2075.98 U1.E8@6602.01,2075.98 ; v6(6655,1930) 6655,1929.13 6665,1919.13 U1.K10@6665,1918.5 ; v6(6655,1990) 6655.75,1990 6664.25,1981.5 U1.H10@6665,1981.5 ; U1.F10@6665,2044.49 6665.26,2044.49 6674.74,2035 v6(6675,2035) ; U1.L11@6696.5,1887.01 6696.5,1888.03 6705,1896.53 v6(6705,1897.87) ; U1.A11@6696.5,2201.97 6697.52,2201.97 6699.41,2200.08 6699.92,2200.08 v6(6710,2190) ; U1.P12@6727.99,1792.52 6727.99,1792.01 v6(6740,1780) ; U1.D12@6727.99,2107.48 6728.72,2106.76 6731.69,2106.76 6730.75,2105.82 6730.75,2104.5 6738.64,2096.6 v6(6738.64,2096.38) ; U1.G13@6759.49,2012.99 6760.51,2012.99 6768.36,2005.14 v6(6769.86,2005.14) ; U1.K14@6790.98,1918.5 6791.71,1917.78 6795.23,1917.78 6803.15,1909.86 v6(6804.71,1909.86) ; U1.N15@6822.48,1824.02 6823.2,1823.29 6825.15,1823.29 6833.44,1815 v6(6835,1815) ; U1.C15@6822.48,2138.98 6824.16,2137.3 6835.67,2137.3 6842.97,2130 v6(6845.87,2130) ; C42.1@6905,1632.44 6907.63,1629.81 6942.56,1629.81 v2(6945.2,1627.17) ; C26.1@6905,1824.88 C27.1@6993.33,1824.88 C28.1@7081.67,1824.88 C29.1@7170,1824.88 ; C38.1@6910,1944.88 C39.1@6995,1944.88 C40.1@7080,1944.88 C41.1@7165,1944.88 ; v2@6941.89,1632.44 C43.1@6976.67,1632.44 C44.1@7048.33,1632.44 C45.1@7120,1632.44 ; C46.1@6960,2175 C47.1@7043.33,2175 C48.1@7126.67,2175 C49.1@7210,2175 ; Y2.2@7291.01,1861.5 7379.39,1949.88 C9.1@7545,1949.88 7594.88,1949.88 v2(7595,1950) ; L3.2@7299.37,2385 v2(7355,2385) ; J1.9@7997.01,2516.5 8010.28,2516.5 8026.23,2500.55 C4.1@8161.5,2500.55 ; R63.1@11530,2474.69 11535.65,2474.69 11544.16,2466.18 C107.2@11645,2466.18 ; v2(11595,2235) 11643.82,2235 C91.2@11645,2236.18 ; v2(11595,2350) 11644.41,2350 C90.2@11645,2350.59 ; C87.2@11605,2595 11758.7,2595 C89.2@11759.29,2595.59 ; C112.2@11870,2865 11870,2895.59 11923.66,2949.25 11925.63,2949.25 11934.41,2958.03 C96.2@11934.41,2960 ; U18.13@11909.57,2498.27 11936.73,2498.27 U18.49@12045,2390 12015.47,2360.47 U18.29@12015.47,2254.57 ; v2(11935,1905) 11935,1954.41 C92.2@11935.59,1955 ; v2(12050,1905) 12050,1954.41 C93.2@12050.59,1955 ; R62.1@12060.32,1726.67 12060.32,1721.01 12070.89,1710.44 12070.89,1704.11 v2(12075,1700) ; C99.2@12150.59,2795 C98.2@12150.59,2876.67 C97.2@12150.59,2958.33 ; C94.2@12248.82,2115 12248.82,2113.03 12257.6,2104.25 12259.57,2104.25 12320.59,2043.23 C106.2@12320.59,1648.75 ; C108.2@12309.41,2770 C109.2@12309.41,2855 C110.2@12309.41,2940 C111.2@12309.41,3025 ; Y3.4@12361.54,2456.69 12369.41,2448.82 12369.41,2387.87 12361.54,2380 12363.5,2380 12374.25,2369.25 12374.25,2299.37 12383.03,2290.59 C101.2@12467.5,2290.59 C102.2@12550,2290.59 ; Y3.2@12409.84,2520.75 12428.46,2539.37 Y3.2@12428.46,2543.31 12430,2544.84 v2(12430,2590) 12425.89,2594.11 12425.89,2614.7 C86.2@12420.59,2620 ; v2(12545,2470) 12579.69,2470 R61.1@12580,2469.69 ; R69.2@12619.37,2600 v2(12650,2600) ; v2(12710,3590) 12710.59,3589.41 C85.2@12760,3589.41 ; v2(12745,2880) 12745.59,2879.41 C84.1@12795,2879.41 ; v2(12745,3010) 12745.59,3009.41 C83.1@12795,3009.41 ; C81.1@13665,2879.41 13709.41,2879.41 v2(13710,2880) ; C82.1@13665,3009.41 13709.41,3009.41 v2(13710,3010) ; U17.17@1595,2650 1604.84,2659.84 U17.11@1650.51,2659.84
  L0 w50: C70.1@331.5,2776.65 331.5,2547.87 375,2504.37 J2.2@375,2455 375,2398.01 389.37,2383.64 389.37,2373.7 438.4,2324.67 438.4,2283.24 451.67,2269.96 J2.3@493.11,2269.96 498.61,2275.46 568.14,2275.46 576.07,2283.39 D1.1@780,2283.39
  other v2: 11911.5,845.32 8755,885 535,890 1905,890 3280,890 4650,890 6015,890 10200,890 11526.97,891.71 7390,895 12880,895 4770,915 10270,915 2020,920 3390,920 6430,920 10540,920 645,925 905,925 2275,925 3650,925 6155,925 7515,925 7755,925 8895,925 12985,925 5010,930 11665,930 13230,930 9125,935 420.55,1423.34 6256.52,1586.21 2305.55,1698.34 12320.91,2042 7001.99,2173.77 12509.07,2289.36 5810.32,2318.66 12000,2340 12045,2340 12090,2340 1660.43,2363.34 12000,2365 12045,2365 12090,2365 12000.32,2388.77 12045.32,2388.77 12090.32,2388.77 12000.32,2413.77 12045.32,2413.77 12090.32,2413.77 12000,2440 12045,2440 12090,2440 11610.43,2463.34 1940.43,2475.84 1295.43,2568.22 11640.32,2593.77 2745.43,2733.34 2835.43,2733.34 3080.43,2815.84 3155.43,2863.34 12150.91,2916.27 11905.32,2933.77 12309.73,2981.27
  other v6: 6694.53,1605.33 6167.5,1749.88 7037.5,1824.88 6520,1875 7037.5,1944.88 6617.76,2075.98 6332.5,2304.88
  other v10: 787.17,1697.17 832.83,1697.17 2022.17,1707.17 2067.83,1707.17 3267.17,1717.17 3312.83,1717.17 787.17,1742.83 832.83,1742.83 2022.17,1752.83 2067.83,1752.83 3267.17,1762.83 3312.83,1762.83
LED1: R55.1 R66.1 U18.17 | length 528.7
  L0 w5: R55.1@11470,2289.69 R66.1@11530,2289.69 11530,2350 11565,2385 11690,2385 11724.53,2419.53 U18.17@11909.57,2419.53
LED2: R63.2 R65.1 U18.15 | length 471.1
  L0 w5: R65.1@11470,2435.63 11529.69,2435.63 R63.2@11530,2435.32 v3(11530,2420) ; v3(11825,2457.09) 11826.81,2458.9 U18.15@11909.57,2458.9
  L3 w5: v3(11530,2420) 11545,2435 11625,2435 11647.09,2457.09 v3(11825,2457.09)
NetC62_1: C62.1 U12.11 | length 142.4
  L0 w5: U12.11@3133.54,2819.53 3134.31,2820.3 3150.3,2820.3 3200.12,2870.12 C62.1@3255,2870.12
NetC67_2: C67.2 U13.9 | length 142.9
  L0 w5: U13.9@2100.12,1700.47 2105.48,1700.47 2105.75,1700.2 2105.75,1689.13 C67.2@2194.88,1600
NetC68_2: C68.2 U14.9 | length 148.6
  L0 w5: U14.9@3345.12,1710.47 3351.65,1710.47 3351.93,1710.2 3351.93,1703.66 3405.59,1650 C68.2@3464.88,1650
NetC73_2: C73.2 U15.9 | length 160.5
  L0 w5: U15.9@865.12,1690.47 867.98,1690.47 868.25,1690.2 868.25,1676.63 C73.2@969.88,1575
NetC80_2: C80.2 U17.8 | length 164
  L0 w5: U17.8@1624.53,2594.49 1624.53,2570.47 1719.88,2475.12 C80.2@1725,2475.12
NetD2_2: D2.2 R53.2 | length 80.3
  L0 w5: R53.2@1930,2358.19 1930.63,2358.82 D2.2@2010,2358.82
NetL1_1: L1.1 U1.F5 | length 574.3
  L0 w5: U1.F5@6507.52,2044.49 6509.02,2044.49 6518.5,2035 v8(6520,2035)
  L4 w5: v8(6320,2510) 6465,2365 6465,2090 v8(6520,2035)
NetL2_1: L2.1 U1.F7 | length 581.9
  L1 w5: v5(6565,2035) 6565,2050 6629.63,2114.63 6689.07,2114.63 6726.25,2151.81 6726.25,2246.25 6868.04,2388.04 v5(6868.04,2456.53)
NetL4_1: L4.1 U13.1 U13.2 U13.3 | length 173.1
  L0 w5: L4.1@1890,1825 1890,1813.58 1944.06,1759.53 U13.1@1989.88,1759.53 U13.2@1989.88,1739.84 U13.3@1989.88,1720.16
NetL5_1: L5.1 U14.1 U14.2 U14.3 | length 174.9
  L0 w5: L5.1@3143.35,1855 3143.35,1840.86 3197.4,1786.8 3211.54,1786.8 3228.07,1770.28 3228.07,1769.8 3228.35,1769.53 U14.1@3234.88,1769.53 U14.2@3234.88,1749.84 U14.3@3234.88,1730.16
NetL6_1: L6.1 U15.1 U15.2 U15.3 | length 183.1
  L0 w5: L6.1@640,1810 640,1803.58 694.06,1749.53 U15.1@754.88,1749.53 U15.2@754.88,1729.84 U15.3@754.88,1710.16
NetL7_1: L7.1 U17.13 U17.14 U17.15 | length 215.2
  L0 w30: 1595,2705.51 1614.69,2705.51 ; U17.14@1604.84,2705.51 1604.84,2729.84 1651.8,2776.8 1665.94,2776.8 1720,2830.86 L7.1@1720,2845
NetQ1_1: Q1.1 R2.1 | length 90.5
  L0 w5: R2.1@5005,1610 5005,1608.36 5014.23,1599.13 5015.87,1599.13 5023.11,1591.89 Q1.1@5087.01,1591.89
NetR1_1: R1.1 Y1.1 | length 115.7
  L0 w5: Y1.1@5896.01,2671.5 5900.56,2676.05 5900.56,2716.07 R1.1@5949.49,2765
NetR3_2: R3.2 U1.C9 | length 302.5
  L0 w5: v1@6647.57,2422.06 R3.2@6665,2439.49
  L3 w5: v1(6640,2420) 6640,2417.09 6646.12,2410.97 6646.12,2146.79 v3(6644.63,2145.3)
NetR4_2: R4.2 U1.B11 | length 292.9
  L0 w5: R4.2@6760,2439.49 6760,2390 v5(6765,2385)
  L1 w5: v5(6690,2180) 6690.75,2180.75 6690.75,2224.89 6765.37,2299.52 6765.37,2351.37 6765,2351.74 v5(6765,2385)
NetR5_1: R5.1 U1.M7 | length 499.4
  L0 w5: v3(6561.6,1841.66) 6561.6,1844.23 6570,1852.62 U1.M7@6570,1855
  L3 w5: v3(6561.6,1841.66) 6570,1833.26 6570,1770 6600,1740 v1(6600,1375)
NetR6_1: R6.1 U1.D5 | length 413.1
  L1 w5: v5(6500,2100) 6514.63,2085.37 6526.37,2085.37 6526.74,2085 6545,2085 6595,2135 6595,2160 6580,2175 v5(6580,2420)
NetR7_1: R7.1 U1.K6 | length 625.2
  L0 w5: U1.K6@6539.02,1918.5 6550.16,1918.5 6564.55,1904.11 6577.49,1904.11 6580,1901.6 v8@6580,1900
  L4 w5: v1(6510,1375) 6560,1425 6560,1820 6540,1840 6540,1865 v8@6580,1905
  other v8: 6582.45,1902.76
NetR8_1: R8.1 U1.F6 | length 720.8
  L3 w5: v1@6425,1380 6425,1400 6565,1540 6565,1755 6560,1760 6560,1795 6540.63,1814.37 v3(6540.63,2032.69)
  other v1: 6425,1375
NetR9_1: R9.1 U1.G7 | length 725.1
  L3 w5: v3(6578.24,2016.25) 6685.37,1909.11 6685.37,1778.63 6685,1778.26 6685,1690 6780,1595 v1(6780,1375)
NetR10_1: R10.1 U1.H8 | length 711.2
  L0 w5: v5(6595,1970) 6595,1972.24 6600.26,1977.51 6600.26,1979.74 U1.H8@6600,1980
  L1 w5: 6592.94,1961.2 6592.94,1914.01 6597.83,1909.12 6597.83,1832.17 6625.37,1804.63 6625.37,1729.63 6865,1490 v1(6865,1375)
NetR11_2: R11.2 U1.C2 | length 674.2
  L4 w5: v1(5810,1975) 5835.37,2000.37 6290.37,2000.37 v8(6420,2130)
NetR12_2: R12.2 U1.G2 | length 500.4
  L4 w5: v1(5920,1975) 6380,1975 6402.94,1997.94 6402.94,2002.94 v8(6405,2005)
NetR13_1: R13.1 U1.J7 | length 637.4
  L3 w5: v3(6575.69,1962.42) 6597.83,1940.28 6597.83,1861.06 6594.63,1857.85 6594.63,1759.52 6690,1664.14 v1(6690,1375)
NetR14_1: R14.1 U1.B2 | length 254.7
  L0 w5: R14.1@6170,2164.49 6330.51,2164.49 6341.63,2153.37 6388.37,2153.37 6404.08,2169.08 6411.64,2169.08 U1.B2@6413.03,2170.47
NetR15_2: R15.2 U1.J3 | length 778.8
  L0 w5: U1.J3@6444.53,1950 6444.53,1947.74 6450,1942.26 v3(6450,1940)
  L3 w5: v3(5700,1980) 5740,1940 v3(6450,1940)
NetR16_1: R16.1 U1.F2 | length 505.3
  L0 w5: v5(6400,2060) 6409.1,2050.9 6409.1,2050.8 6413.03,2046.86 U1.F2@6413.03,2044.49
  L1 w5: v5(5955,2155) 6009.63,2100.37 6279.63,2100.37 6290,2090 6370,2090 v5(6400,2060)
NetR17_1: R17.1 U1.H3 | length 1123.8
  L0 w5: U1.H3@6444.53,1981.5 6444.53,1980.98 6455,1970.51 v8(6455,1970)
  L4 w5: v1(6045,2150) 6045,2135 6040,2130 5865,2130 5760,2025 5760,1970 5775,1955 6440,1955 v8(6455,1970)
NetR18_2: R18.2 U1.F4 | length 988.5
  L0 w5: R18.2@5570,1964.49 5619.49,1915 5795,1915 v8(5855,1975) ; v8(6469.98,2031.81) 6472.04,2033.87 6472.04,2038.13 6476.02,2042.11 U1.F4@6476.02,2044.49
  L4 w5: v8(5855,1975) 5898.26,1975 5913.63,1990.37 6121.63,1990.37 6127,1985 6335,1985 6381.81,2031.81 v8(6469.98,2031.81)
NetR22_1: R22.1 U1.L4 | length 607.9
  L0 w5: R22.1@5920,1805 6000,1805 6096.4,1901.4 6471.86,1901.4 6475.96,1897.3 6475.96,1887.07 U1.L4@6476.02,1887.01
NetR24_1: R24.1 Y2.1 | length 115.7
  L0 w5: Y2.1@7291.01,2061.5 7295.56,2066.05 7295.56,2106.07 R24.1@7344.49,2155
NetR25_2: R25.2 U1.R3 U2.2 U2.3 | length 6402.4
  L0 w5: R25.2@565,950 572.07,950 589.57,967.5 589.57,974.57 689.77,1074.77 695.69,1074.77 705,1084.08 U2.3@705,1101.3 U2.2@755,1101.3 755,1175 780,1200 1544.14,1200 1664.14,1320 5554.14,1320 5820,1585.86 5820,1780 v1@5835,1795
  L1 w5: v1(5835.55,1793.63) 5863.93,1765.26 6434.74,1765.26 v4(6435,1765)